# Altium PCB WX0.011.749PCB-4.2.PcbDoc (part 1 of 3)
Units mil, origin at the board's own origin, x right, y up, seen from the top; angles counter-clockwise.
Board outline 4498.23 x 1899.81 mil, 2 copper layers (Top Layer, Bottom Layer), stack 12.8 mil thick; 195 components, 148 nets, 684 pads, 621 vias.
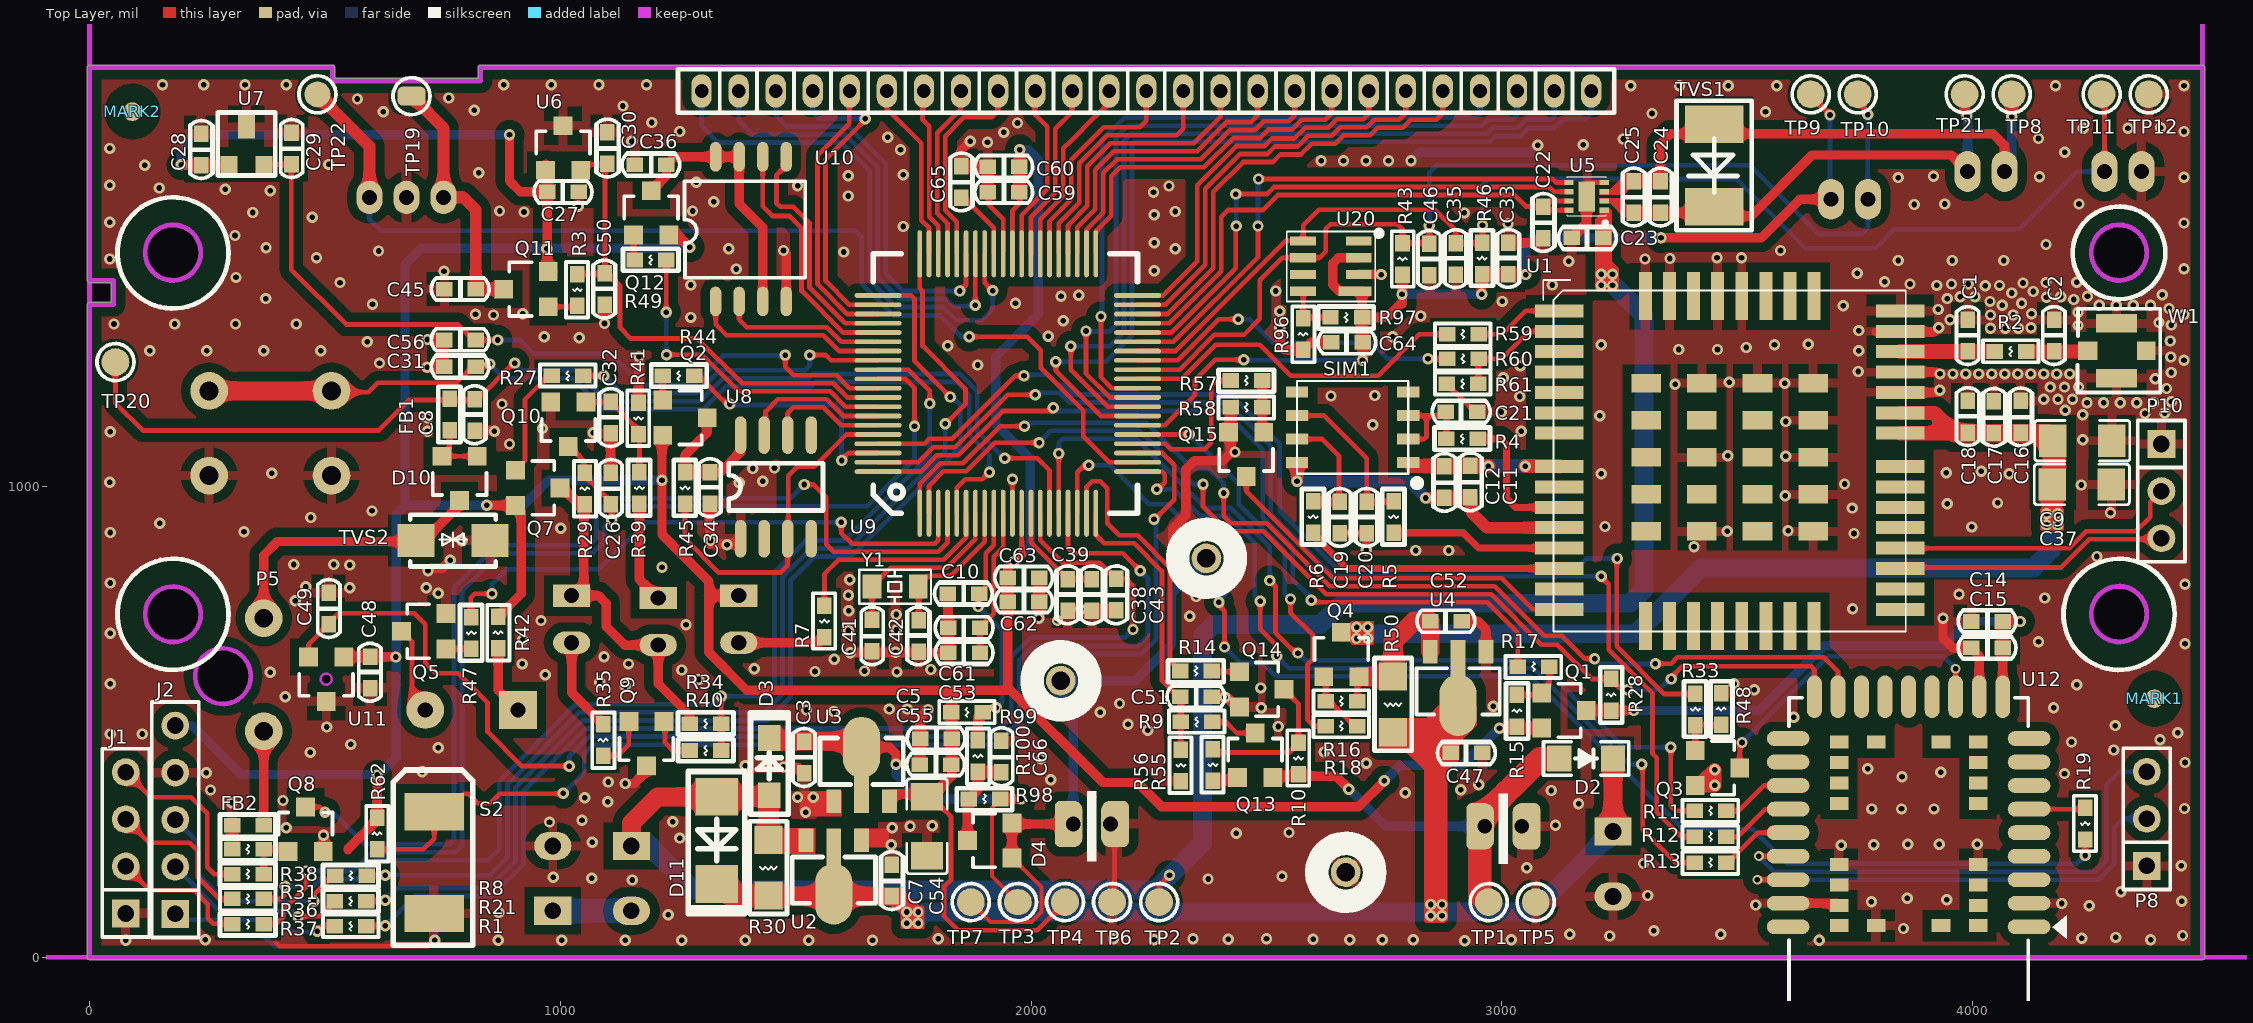
[diagram p0: Top Layer view]
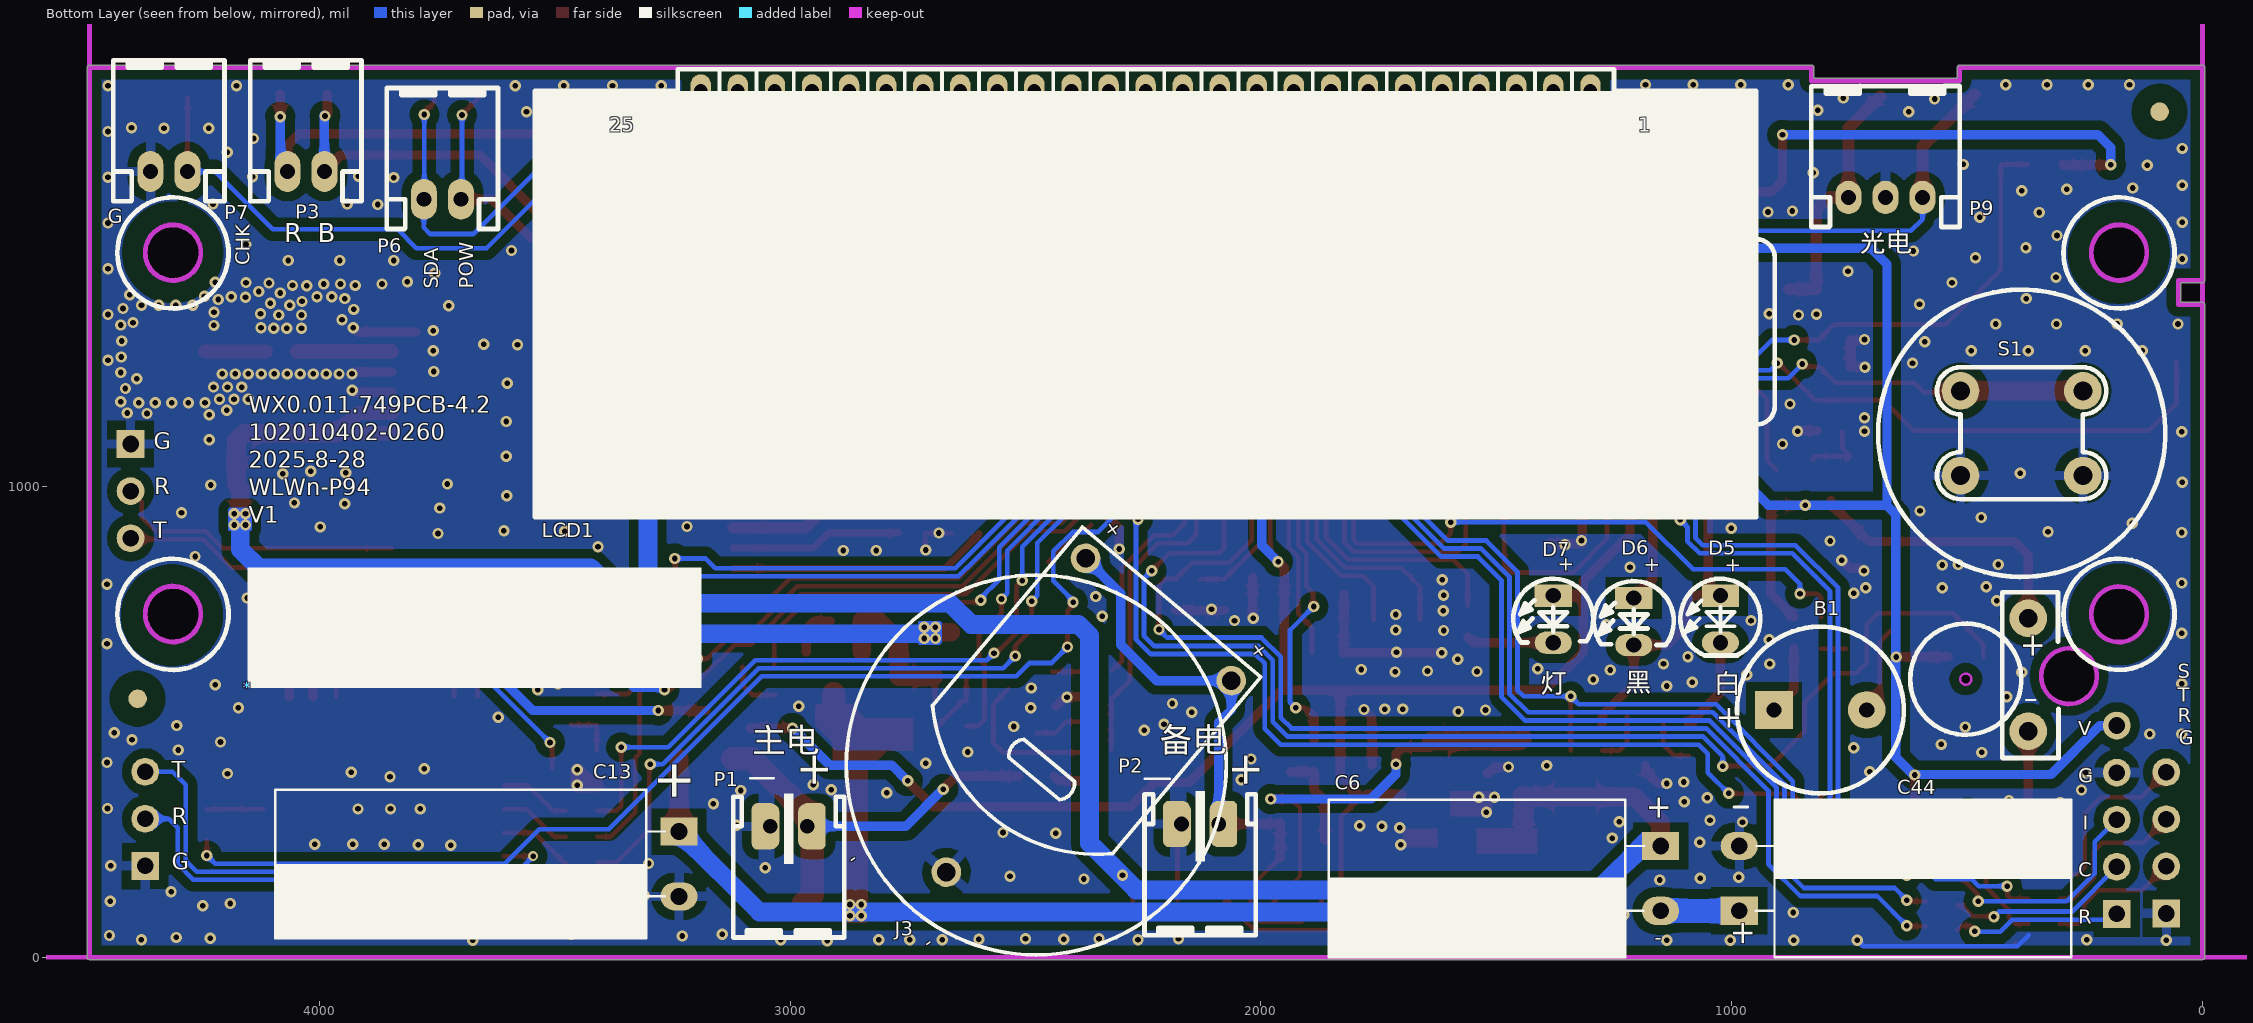
[diagram p1: Bottom Layer view, seen from below]

## Layer stack, top to bottom
Top Solder: solder mask 0.4, Solder Resist, Dk 3.5
Top Layer: signal copper 1.4
Dielectric 1: core 10, FR-4, Dk 4.2
Bottom Layer: signal copper 1.4
Bottom Solder: solder mask 0.4, Solder Resist, Dk 3.5

## Board outline
-5.01,0 ccw(c0,0) 0.07,-5.02 4488.19,-5.02 ccw(c4488.19,0) 4491.74,-3.54 ccw(c4488.2,0.01) 4493.22,0.01 4493.22,1889.78 ccw(c4488.2,1889.78) 4488.2,1894.8 830.73,1894.8 ccw(c830.73,1889.78) 825.72,1889.78 ccw(c830.73,1889.78) 825.72,1889.78 825.72,1867.06 520.79,1867.06 520.79,1889.78 ccw(c515.77,1889.78) 515.77,1894.8 0,1894.8 ccw(c0,1889.78) -5.01,1889.78 -5.01,1438.01 ccw(c0,1438.01) 0.51,1433.02 ccw(c1.01,1438.01) 1.01,1432.99 46.16,1432.99 46.16,1390.84 0.82,1390.84 ccw(c0.82,1385.82) 0.41,1390.82 ccw(c0,1385.82) -5.01,1385.82
cut-out: 4251.97,1496.05 ccw(c4311.03,1496.05) 4311.03,1436.99 ccw(c4311.03,1496.05) 4370.09,1496.05 ccw(c4311.03,1496.05) 4311.03,1555.11 ccw(c4311.03,1496.05)
cut-out: 4251.97,728.33 ccw(c4311.02,728.33) 4311.02,669.28 ccw(c4311.02,728.33) 4370.08,728.33 ccw(c4311.02,728.33) 4311.02,787.39 ccw(c4311.02,728.33)
cut-out: 118.1,728.36 ccw(c177.16,728.36) 177.16,669.31 ccw(c177.16,728.36) 236.21,728.36 ccw(c177.16,728.36) 177.16,787.42 ccw(c177.16,728.36)
cut-out: 118.11,1496.08 ccw(c177.17,1496.08) 177.17,1437.02 ccw(c177.17,1496.08) 236.22,1496.08 ccw(c177.17,1496.08) 177.17,1555.13 ccw(c177.17,1496.08)
cut-out: 224.43,596.99 ccw(c283.49,596.99) 283.49,537.93 ccw(c283.49,596.99) 342.54,596.99 ccw(c283.49,596.99) 283.49,656.04 ccw(c283.49,596.99)
cut-out: 490.94,590.55 ccw(c502.76,590.55) 502.76,578.74 ccw(c502.76,590.55) 514.57,590.55 ccw(c502.76,590.55) 502.76,602.36 ccw(c502.76,590.55)

## Design rules (kind name [scope] priority, off if disabled: settings)
Clearance VIA-VIA [ISVIA vs ISVIA] p1: gap=20 ignorepadtopadclearanceinfootprint=FALSE except(0: Arc-Hole Track-Hole SMDPad-Hole THPad-Hole Via-Hole Fill-Hole Poly-Hole Region-Hole Text-Hole)
Clearance VIA-PAD [ISVIA vs ISPAD] p2: gap=15 ignorepadtopadclearanceinfootprint=FALSE except(0: Arc-Hole Track-Hole SMDPad-Hole THPad-Hole Via-Hole Fill-Hole Poly-Hole Region-Hole Text-Hole)
Clearance VIA-TRACK [ISVIA vs ISTRACK] p3: gap=15 ignorepadtopadclearanceinfootprint=FALSE except(0: Arc-Hole Track-Hole SMDPad-Hole THPad-Hole Via-Hole Fill-Hole Poly-Hole Region-Hole Text-Hole)
Clearance Polygon [InPolygon] p4: gap=20 ignorepadtopadclearanceinfootprint=FALSE except(0: Arc-Hole Track-Hole SMDPad-Hole THPad-Hole Via-Hole Fill-Hole Poly-Hole Region-Hole Text-Hole)
Clearance [All] p5: gap=7 ignorepadtopadclearanceinfootprint=FALSE except(0: Arc-Hole Track-Hole SMDPad-Hole THPad-Hole Via-Hole Fill-Hole Poly-Hole Region-Hole Text-Hole)
ComponentClearance [All] p1 off: gap=10 collisioncheckmode=3 verticalgap=10 showdistances=FALSE
FabricationTestPointUsage TestPointUsage [All] p1: valid=0 allowmultiple=FALSE
FabricationTestpoint Testpoint [(IsPad And (OnTopLayer Or OnBottomLayer))] p1: side=3 testpointundercomponent=TRUE minsize=40 maxsize=100 preferedsize=60 minholesize=0 maxholesize=40 preferedholesize=32 testpointgrid=1 allowsidetop=TRUE allowsidebottom=TRUE usegrid=TRUE gridtolerance=0.01
HoleSize [All] p1 off: absolutevalues=TRUE maxlimit=300 minlimit=0 maxpercent=80.000 minpercent=20.000
HoleToHoleClearance [All] p1 off: gap=10 allowstackedmicrovias=TRUE
LayerPairs [All] p1 off: enforce=TRUE
MinimumSolderMaskSliver [All] p1 off: minsoldermaskwidth=10
NetAntennae [All] p1 off: netantennaetolerance=0
PlaneConnect [All] p1: planeconnectstyle=Relief reliefexpansion=20 reliefentries=4 reliefconductorwidth=20 reliefairgap=10
PolygonConnect [isvia] p1: connectstyle=Direct reliefconductorwidth=15 reliefentries=4 polygonreliefangle="90 Angle" airgapwidth=10
PolygonConnect PolygonConnect_1 [All] p2: connectstyle=Relief reliefconductorwidth=20 reliefentries=4 polygonreliefangle="90 Angle" airgapwidth=20
RoutingVias [All] p1: holewidth=10 width=20 viastyle="Through Hole" minholewidth=5 minwidth=5 maxholewidth=50 maxwidth=100
SilkToBoardRegionClearance [All] p1 off:
SilkToSilkClearance [All] p1 off: silktosilkclearance=10
SilkToSolderMaskClearance [IsPad] p1 off: minsilkscreentomaskgap=10 clearancetoexposedcopper=TRUE
SolderMaskExpansion [All] p1: expansion=4
Width [All] p1: maxlimit=300 minlimit=8 preferedwidth=10
18 further rules are at their usual default settings.

## Classes and differential pairs
component class WX0.011.911DL: C1 C2 C3 C5 C6 C7 C9 C10 C11 C12 C13 C14 C15 C16 C17 C18 C19 C20 C21 C22 C23 C24 C25 C34 C37 C44 C47 C51 C52 C54 C55 C66 D2 D3 D4 D11 J3 P1 P2 P3 P8 P10 Q1 Q2 Q3 Q4 Q13 Q14 Q15 R2 R4 R5 R6 R9 R10 R11 R12 R13 R14 R15 R16 R17 R18 R19 R28 R30 R33 R44 R45 R48 R50 R55 R56 R57 R58 R59 R60 R61 R98 R99 R100 SIM1 TP1 TP2 TP3 TP4 TP5 TP6 TP7 TP8 TP21 TVS1 U1 U2 U3 U4 U5 U8 U12 W1
component class WX0.011.910DL: * B1 C8 C26 C27 C28 C29 C30 C31 C32 C33 C35 C36 C38 C39 C41 C42 C43 C45 C46 C48 C49 C50 C53 C56 C59 C60 C61 C62 C63 C64 C65 D5 D6 D7 D10 FB1 FB2 J1 J2 LCD1 MARK1 MARK2 P5 P6 P7 P9 Q5 Q7 Q8 Q9 Q10 Q11 Q12 R1 R3 R7 R8 R21 R27 R29 R31 R34 R35 R36 R37 R38 R39 R40 R41 R42 R43 R46 R47 R49 R62 R96 R97 S1 S2 TP9 TP10 TP11 TP12 TP19 TP20 TP22 TP25 TVS2 U6 U7 U9 U10 U11 U20 Y1

## Components (designator, comment, footprint, x,y, rotation, side; value= is the part's Value field where it differs from the comment)
* "Bar Code1" "Bar Code1" 4153,572 r180 bottom
B1 "HYT-0903" HYT-0903 910,525 r180 bottom locked
C1 "NC" CAP0603 3990,1353.23 r270 top locked
C2 "NC" CAP0603 4172.99,1353.23 r270 top locked
C3 "10uF/10V" CAP0603 1518,457 r270 top
C5 "100nF/50V" CAP0603 1831,464 r180 top
C6 "1F/2.75V" CAPPC_350_800_1600R 1226,334.65 r90 bottom
C7 "100nF/50V" CAP0603 1704,130 r90 top
C8 "100nF/50V" CAP0603 818,1185 r270 top
C9 "100uF/6.3V" GRM1206 4233,1097 r270 top
C10 "100nF/50V" CAP0603 1889,772 r180 top
C11 "100nF/50V" CAP0603 2933,977 r90 top
C12 "33pF/50V" CAP0603 2878,976 r90 top
C13 "1000uF/16V" CAPPC_500_800_2000R 3236,198 r270 bottom locked
C14 "10uF/10V" CAP0603 4063.51,713 r180 top
C15 "1uF/16V" CAP0603 4063.51,657 r180 top
C16 "100nF/50V" CAP0603 4102,1115 r90 top
C17 "33pF/50V" CAP0603 4045,1114 r90 top
C18 "10pF/50V" CAP0603 3990,1181 r270 top
C19 "33pF/50V" CAP0603 2656,967 r270 top
C20 "33pF/50V" CAP0603 2713,967 r270 top
C21 "33pF/50V" CAP0603 2881,1159 r0 top
C22 "100nF/50V" CAP0603 3088,1528 r90 top
C23 "100nF/50V" CAP0603 3149,1528 r0 top
C24 "100nF/50V" CAP0603 3337,1582 r90 top
C25 "33pF/50V" CAP0603 3280,1582 r90 top
C26 "100pF/50V" CAP0603 1107,963 r90 top
C27 "1uF/16V" CAP0603 973,1626 r0 top
C28 "1uF/16V" CAP0603 237,1683 r90 top
C29 "1nF/50V" CAP0603 429,1685 r90 top
C30 "1nF/50V" CAP0603 1100,1686 r90 top
C31 "100nF/50V" CAP0603 820,1254 r180 top
C32 "10pF/50V" CAP0603 1107,1179 r270 top
C33 "100nF/50V" CAP0603 3014,1517 r270 top
C34 "100nF/50V" CAP0603 1318,1030 r270 top
C35 "33pF/50V" CAP0603 2902,1516.49 r270 top
C36 "100nF/50V" CAP0603 1225,1683 r180 top
C37 "100uF/6.3V" GRM1206 4232,1004 r270 top
C38 "1uF/16V" CAP0603 2129.18,802.51 r270 top
C39 "100nF/50V" CAP0603 2077.84,802.51 r270 top
C41 "12pF/50V" CAP0603 1662,650 r90 top
C42 "12pF/50V" CAP0603 1761,715.51 r270 top
C43 "100nF/50V" CAP0603 2180.51,737 r90 top
C44 "1F/2.75V" CAPPC_350_800_1600R 909,0 r270 bottom locked
C45 "1uF/16V" CAP0603 820,1419 r180 top
C46 "33pF/50V" CAP0603 2846,1515 r270 top
C47 "100nF/50V" CAP0603 2892,434 r0 top
C48 "1uF/16V" CAP0603 596,638 r270 top
C49 "1nF/50V" CAP0603 508,708 r90 top
C50 "33pF/50V" CAP0603 1094,1452 r270 top
C51 "10pF/50V" CAP0603 2383,553 r180 top
C52 "1uF/16V" CAP0603 2848.49,714 r0 top
C53 "1uF/16V" CAP0603 1825,647 r0 top
C54 "100uF/6.3V" GRM1206 1779,278 r0 top
C55 "22pF/50V" CAP0603 1830,409 r180 top
C56 "33pF/50V" CAP0603 820,1311 r180 top
C59 "100nF/50V" CAP0603 1974.51,1625 r180 top
C60 "4.7u" CAP0603 1974.51,1679 r180 top
C61 "100nF/50V" CAP0603 1825,700 r0 top
C62 "4.7u" CAP0603 2017,755 r180 top
C63 "100nF/50V" CAP0603 2017,806 r180 top
C64 "100nF/50V" CAP0603 2638,1306 r0 top
C65 "100nF/50V" CAP0603 1851.51,1614 r90 top
C66 "33pF/50V" CAP0603 1937,393 r90 top
D2 "DS36W" SOD-123FL#1 3118.91,422 r0 top
D3 "DS12W" SOD-123FL#2 1444,344 r90 top
D4 "BAT54CLT1" SOT-23#1 1912,248 r90 top
D5 "AT203" IR_254_532_300 1024,768 r180 bottom
D6 "AT403" IR_254_532_300 1208,763 r180 bottom
D7 "LED_T3R" LED2_300 1379,768 r180 bottom locked
D10 "BAT54CLT1" SOT-23#1 786,1017 r180 top
D11 "SS12" DO-214AC 1332,248 r270 top
FB1 "FB03SN3000_30R" IND0603 765,1186 r270 top
FB2 "FB03SN3000_30R" IND0603 303,280 r0 top
J1 "PIN254_1*4*WXHJ" PIN254_1*4*WXHJ 77,93 r90 top
J2 "PIN254_1*5*WXHJ" PIN254_1*5*1100S 182,92 r90 top
J3 "PH200_1*2R" BAT-DIP-3 2443,449 r310 bottom locked
LCD1 "GVH21861A-HPP" LCD_GVH21861A-HPP 1300,1840 r180 bottom locked
MARK1 "MARK" MARK 4386,549 r90 top
MARK2 "MARK" MARK 91,1796 r90 top
P1 "" PH200_1*2R_BAT 3006,173 r180 bottom
P2 "NC" PH200_1*2R_BAT 2132,178 r180 bottom
P3 "PH200_1*2R" PH200_1*2R 4028.63,1669 r0 bottom
P5 "" WXHJ_CONNECT_01 370,480 r180 top
P6 "PH200_1*2R" PH200_1*2R 3738.63,1610 r0 bottom locked
P7 "PH200_1*2R" PH200_1*2R 4319.63,1669 r0 bottom locked
P8 "PIN254_1*3" PIN254_1*3*WXHJ 4370,194 r90 top
P9 "PH200_1*3R" PH200_1*3R 752,1614 r0 bottom locked
P10 "模块调试" PIN254_1*3*WXHJ 4401,1090 r270 top
Q1 "UT3401ZG" SOT-23#1 3132,524 r270 top
Q2 "PNPS-9012" SOT-23#1 1265,1146 r270 top
Q3 "NPNS-9013" SOT-23#1 3458,402 r270 top
Q4 "UT3401ZG" SOT-23#1 2659,643 r0 top
Q5 "NPNS-9013" SOT-23#1 710,692.4 r90 top
Q7 "PNPS-9012" SOT-23#1 952,997 r270 top
Q8 "NPNS-9013" SOT-23#1 459,272 r0 top
Q9 "PNPS-9012" SOT-23#1 1183,453.76 r180 top
Q10 "NPNS-9013" SOT-23#1 1017,1132 r180 top
Q11 "PNPS-9012" SOT-23#1 927,1419 r90 top
Q12 "PNPS-9012" SOT-23#1 1193,1581 r0 top
Q13 "PNPS-9012" SOT-23#1 2476,429 r0 top
Q14 "NPNS-9013" SOT-23#1 2489.76,569 r270 top
Q15 "NPNS-9013" SOT-23#1 2457,1068 r180 top
R1 "100R 5%" RES0603 588,66 r180 top
R2 "0R 5%" RES0603 4114.02,1286.69 r180 top locked
R3 "3K 5%" RES0603 1036,1451 r270 top
R4 "22R 5%" RES0603 2949,1101 r180 top
R5 "22R 5%" RES0603 2770,968.63 r270 top
R6 "22R 5%" RES0603 2599,968.63 r270 top
R7 "1K 5%" RES0603 1561,747 r270 top
R8 "100R 5%" RES0603 522,173 r0 top
R9 "330K 5%" RES0603 2385,500 r180 top
R10 "10K 5%" RES0603 2568,456 r270 top
R11 "1K 5%" RES0603 3410,311 r0 top
R12 "1K 5%" RES0603 3410,256 r0 top
R13 "1K 5%" RES0603 3410,201 r0 top
R14 "3K 5%" RES0603 2317,608 r0 top
R15 "2M 5%" RES0603 3032,490 r90 top
R16 "2M 5%" RES0603 2626,544 r0 top
R17 "200K 5%" RES0603 3034,617 r0 top
R18 "200K 5%" RES0603 2626,491 r0 top
R19 "1K 5%" RES0603 4239,317 r270 top
R21 "100R 5%" RES0603 588,119 r180 top
R27 "3K 5%" RES0603 1049,1235 r180 top
R28 "1K 5%" RES0603 3232,524 r90 top
R29 "20K 5%" RES0603 1052,962 r90 top
R30 "0R 5%" RES1206 1442,131 r90 top
R31 "3K 5%" RES0603 303,176.5 r0 top
R33 "3K 5%" RES0603 3411,560 r270 top
R34 "20K 5%" RES0603 1342,496 r180 top
R35 "100R 5%" RES0603 1091,428 r90 top
R36 "1K 5%" RES0603 303,123.75 r0 top
R37 "1K 5%" RES0603 303,70 r0 top
R38 "1K 5%" RES0603 303,229.25 r0 top
R39 "20K 5%" RES0603 1168,1030 r270 top
R40 "3K 5%" RES0603 1342,439 r180 top
R41 "47K 5%" RES0603 1166,1178 r270 top
R42 "51R 5%" RES0603 868,656 r90 top
R43 "5.1K 5%" RES0603 2789,1450 r90 top
R44 "3K 5%" RES0603 1285,1235 r180 top
R45 "20K 5%" RES0603 1265,1030 r270 top
R46 "5.1K 5%" RES0603 2958,1518 r270 top
R47 "3K 5%" RES0603 811,722 r270 top
R48 "20K 5%" RES0603 3466,494 r90 top
R49 "3K 5%" RES0603 1225,1481 r180 top
R50 "0R 5%" RES1206 2769,478 r90 top
R55 "10K 5%" RES0603 2386,442 r270 top
R56 "220K 5%" RES0603 2318,441 r270 top
R57 "3K 5%" RES0603 2424,1225 r0 top
R58 "1K 5%" RES0603 2424,1168 r0 top
R59 "1K 5%" RES0603 2884,1323 r0 top
R60 "1K 5%" RES0603 2884,1271 r0 top
R61 "5.1K" RES0603 2950,1218 r180 top
R62 "1M 5%" RES0603 611,229 r90 top
R96 "0R 5%" RES0603 2578,1290 r90 top
R97 "10K/NC" RES0603 2636,1359 r0 top
R98 "0R 5%" RES0603 1868,336 r0 top
R99 "0R 5%" RES0603 1897,520 r180 top
R100 "0R 5%" RES0603 1887,394 r90 top
S1 "SWT_4_600_600_430" SWT_4_600_600 384,1113 r0 bottom locked
S2 "SWS_2_520_300_300" SWS_2_520_300 732,309 r90 top
SIM1 "SIM" SIMIC 2565,1224 r270 top locked
TP1 "TEST-PAD" TEST-PAD#1 2972,117 r0 top locked
TP2 "TEST-PAD" TEST-PAD#1 2272,117 r0 top locked
TP3 "TEST-PAD" TEST-PAD#2 1972,117 r0 top locked
TP4 "TEST-PAD" TEST-PAD#1 2072,117 r0 top locked
TP5 "TEST-PAD" TEST-PAD#1 3072,117 r0 top locked
TP6 "TEST-PAD" TEST-PAD#1 2172,117 r0 top locked
TP7 "TEST-PAD" TEST-PAD#1 1872,117 r0 top locked
TP8 "TEST-PAD" TEST-PAD#1 4083,1833 r0 top locked
TP9 "TEST-PAD" TEST-PAD#1 3656,1833 r0 top locked
TP10 "TEST-PAD" TEST-PAD#1 3756,1833 r90 top locked
TP11 "TEST-PAD" TEST-PAD#1 4274,1833 r90 top locked
TP12 "TEST-PAD" TEST-PAD#1 4374,1833 r0 top locked
TP19 "TEST-PAD" TEST-PAD#3 684,1829 r90 top
TP20 "TEST-PAD" TEST-PAD#1 55,1264 r90 top
TP21 "TEST-PAD" TEST-PAD#1 3983,1833 r90 top locked
TP22 "TEST-PAD" TEST-PAD#4 484,1833 r90 top locked
TVS1 "SMBJ6.0CA" DO-214AA 3451,1774 r270 top
TVS2 "SMAJ5.0CA" SMAJ5.0CA 772,885 r180 top
U1 "M5310-E" MOD_M5310EV 3484,1054 r0 top locked value=Module_M5310EV
U2 "CE6232A50P" SOT-89 1581,213 r180 top
U3 "CE6232A33P" SOT-89 1640,367 r0 top
U4 "CE6232A36P" SOT-89 2907,613.74 r180 top
U5 "DRV8837DSGR" S-PWSON-N8 3180,1616 r180 top
U6 "S-5712ACDL1" SOT-23#1 1006,1719 r0 top locked
U7 "S-5712ACDL1" SOT-23#2 333,1719 r0 top locked
U8 "ESAM" SOP-8 1383,889 r90 top
U9 "CIU32L071" LQFP80 1763.51,943 r0 top locked
U10 "GD25VQ80CSIG" SOP-8L-200MIL 1330,1393 r90 top
U11 "S-5712ACDL1" SOT-23#1 502.76,590.55 r180 top locked
U12 "L-NLEEB21-G5PP4" L-NLEEB21-G5BP4 3610,551.18 r180 top locked
U20 "HP303B" LGA_8 2729,1395 r180 top
W1 "ANT-IPEX" ANT-IPEX 4244.82,1288.25 r270 top locked
Y1 "32.768kD" SMD-3215_2P 1760.51,787 r180 top
